# Altium PCB PA_8CH_CTRL.PcbDoc (part 9 of 10)
Units mm, origin at the board's own origin, x right, y up, seen from the top; angles counter-clockwise.
Board outline 390 x 110 mm, 4 copper layers (Component Side, Signal Layer 1, Power Plane, Solder Side), stack 1.604 mm thick; 833 components, 525 nets, 2536 pads, 1881 vias.
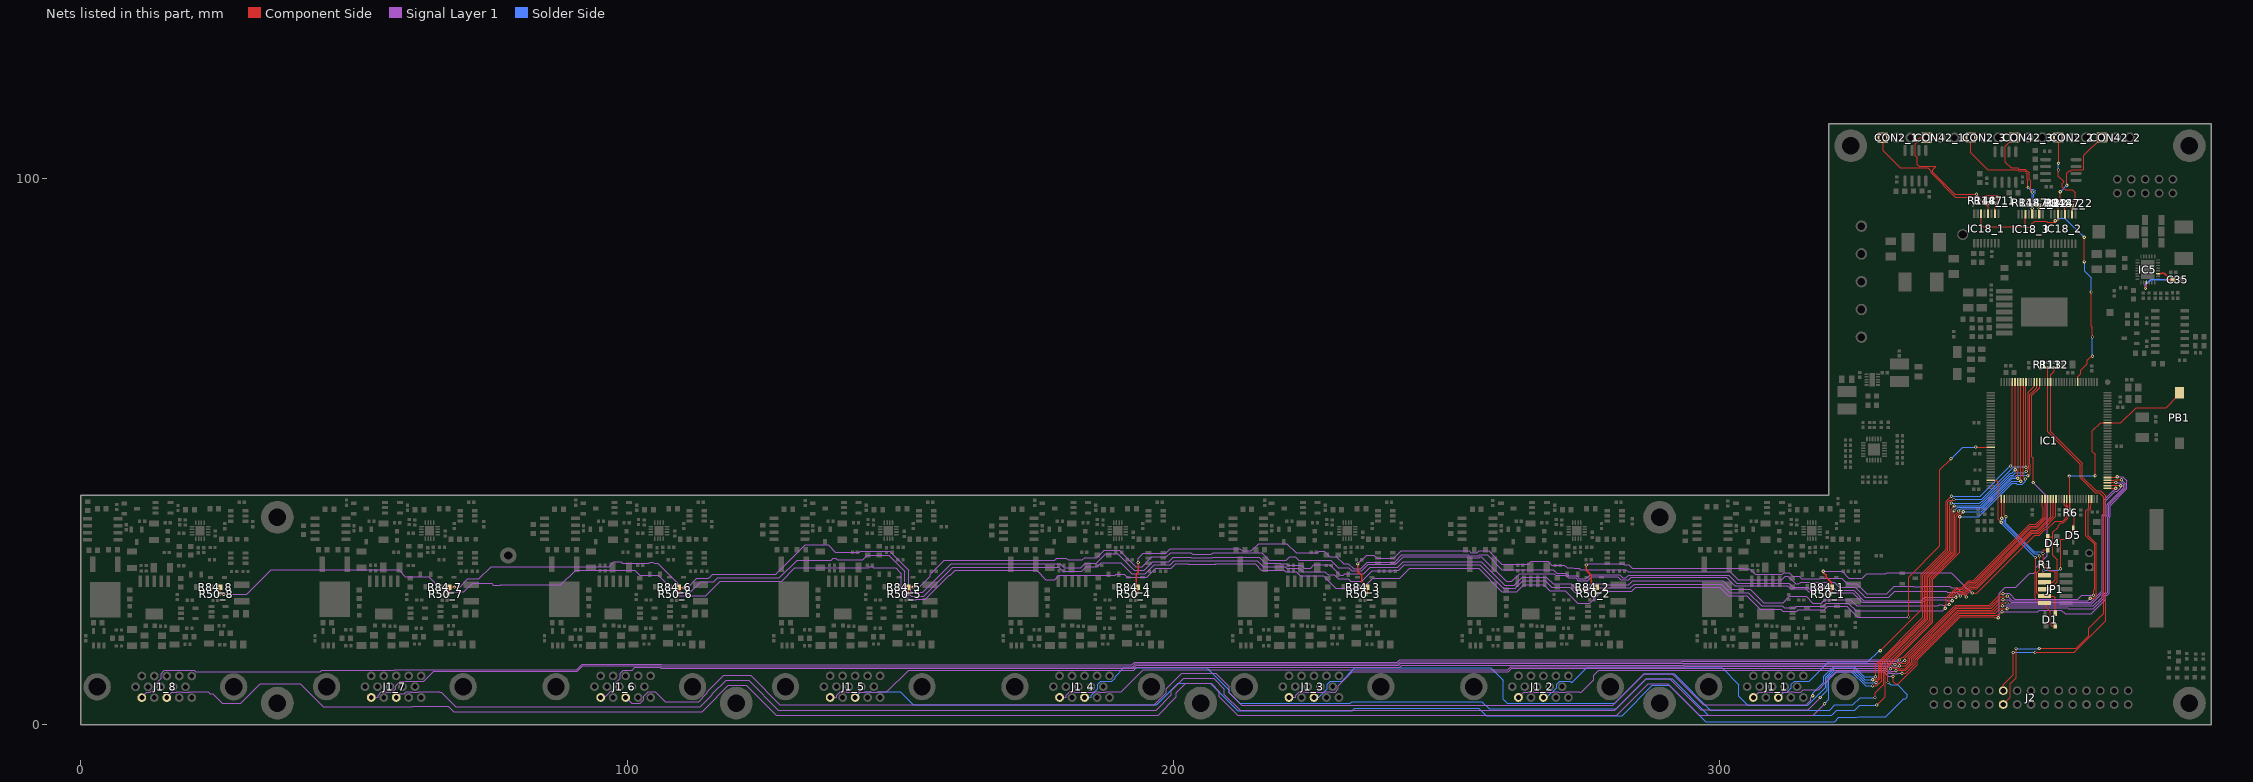
[diagram p11: the nets of this part, all layers, seen from the top]

## Via types
v1: diameter 0.6, hole 0.3, Component Side to Solder Side, tented both sides, 1530 vias
v2: diameter 0.6, hole 0.3, Component Side to Solder Side, 351 vias

## Nets (pads, with @x,y where several pads share a name; then routed paths per layer and width w, separated by ;. In a path a pad name is that pad's centre, name@x,y a point inside that pad or via, vN(x,y) a via of type N, cw(c..) or ccw(c..) an arc to the next point about the centre after c; other vN are vias at no path point) (continued)
PWR_CH_OVL0: IC1.59 J1_8.3 | length 412.3
  Component Side w0.152: v1(327.99,7.137) 328.789,7.137 329.697,8.046 329.697,8.218 329.717,8.239 329.717,10.899 338.125,19.306 338.125,27.029 342.748,31.651 342.748,39.065 342.925,39.065 v1(342.925,39.167) ; v1(356.438,45.593) 356.845,45.999 356.845,46.777 356.908,46.84 356.908,47.53 356.773,47.665 356.773,60.431 358.074,61.733 IC1.59@358.074,62.745
  Signal Layer 1 w0.152: J1_8.3@15.258,4.991 J1_8.3@15.504,5.237 ; J1_8.3@15.75,4.991 16.701,5.942 17.533,5.942 17.61,6.02 18.462,6.02 18.539,5.942 19.819,5.942 19.896,6.02 23.298,6.02 23.622,5.695 24.124,5.695 25.881,3.938 29.253,3.938 32.849,7.533 40.18,7.533 44.399,3.314 60.647,3.314 60.736,3.404 67.236,3.404 68.277,2.362 113.804,2.362 116.554,5.112 116.554,5.277 118.506,7.229 121.859,7.229 127.31,1.778 197.22,1.778 200.554,5.112 200.554,5.868 202.307,7.62 206.909,7.62 208.432,6.097 208.432,5.126 211.831,1.727 281.169,1.727 284.554,5.112 284.554,5.128 286.96,7.533 290.535,7.533 296.291,1.778 317.119,1.778 v1(319.202,3.861)
  Solder Side w0.152: v1(319.202,3.861) 320,4.659 320,8.5 321.229,9.729 324.127,9.729 326.718,7.137 v1(327.99,7.137) ; v1(342.925,39.167) 343.606,39.848 347.899,39.848 353.482,45.431 354.132,45.431 354.355,45.655 356.376,45.655 v1(356.438,45.593)
PWR_CH_OVL1: IC1.60 J1_7.3 | length 364.1
  Component Side w0.152: v1(328.625,7.722) 328.635,7.722 329.413,8.499 329.413,11.025 337.82,19.432 337.82,27.155 342.397,31.732 342.397,39.502 v1(342.976,40.081) ; v1(356.108,46.38) 356.108,46.471 356.603,46.966 356.603,47.404 356.468,47.539 356.468,60.863 357.574,61.969 IC1.60@357.574,62.745
  Signal Layer 1 w0.152: J1_7.3@57.75,5.02 58.397,5.667 59.228,5.667 59.61,6.049 60.462,6.049 60.539,5.971 61.819,5.971 61.896,6.049 65.648,6.049 65.725,5.971 65.961,5.971 68.656,3.277 113.425,3.277 115.64,5.491 115.64,5.656 118.127,8.143 122.238,8.143 127.689,2.692 196.841,2.692 199.64,5.491 199.64,6.246 201.928,8.534 207.366,8.534 209.347,6.553 209.347,5.504 212.21,2.642 280.79,2.642 283.64,5.491 283.64,5.507 286.581,8.448 290.914,8.448 296.593,2.769 316.249,2.769 318.414,4.934 v1(318.414,5.029)
  Solder Side w0.152: v1(318.414,5.029) 319.695,6.31 319.695,8.626 321.102,10.033 324.307,10.033 326.619,7.722 v1(328.625,7.722) ; v1(342.976,40.081) 343.048,40.153 347.747,40.153 353.33,45.736 353.711,45.736 354.135,46.16 355.887,46.16 v1(356.108,46.38)
PWR_CH_OVL2: IC1.63 J1_6.3 | length 321.1
  Component Side w0.152: v1(328.549,8.814) 328.549,11.024 337.21,19.685 337.21,27.407 341.787,31.984 341.787,40.757 342.173,41.143 342.794,41.143 v1(342.9,41.25) ; v1(356.074,47.185) IC1.63@356.074,62.745
  Signal Layer 1 w0.152: J1_6.3@99.75,5.02 99.83,5.02 100.859,3.991 102.462,3.991 103.065,4.594 103.065,5.217 103.896,6.049 105.176,6.049 106.954,4.271 113.127,4.271 114.725,5.87 114.725,6.034 117.748,9.057 122.617,9.057 127.988,3.687 196.542,3.687 198.725,5.87 198.725,6.625 201.549,9.449 207.797,9.449 210.261,6.985 210.261,5.883 212.563,3.581 280.437,3.581 282.725,5.87 282.725,5.886 286.202,9.362 291.293,9.362 296.968,3.687 315.874,3.687 316.655,4.468 316.655,4.921 v1(317.043,5.309)
  Solder Side w0.152: v1(317.043,5.309) 317.043,5.767 319.086,7.81 319.086,8.879 320.85,10.643 324.637,10.643 326.466,8.814 v1(328.549,8.814) ; v1(342.9,41.25) 342.824,41.326 347.98,41.326 353.871,47.217 356.042,47.217 v1(356.074,47.185)
PWR_CH_OVL3: IC1.64 J1_5.3 | length 279.8
  Component Side w0.152: v1(330.835,7.747) 330.764,7.818 330.764,10.506 339.039,18.782 339.039,26.65 343.946,31.557 343.946,38.054 v1(343.967,38.075) ; IC1.64@355.574,62.745 355.671,62.648 355.671,47.53 355.546,47.404 355.546,45.393 v1(355.93,45.009)
  Solder Side w0.152: J1_5.3@141.258,5.02 J1_5.3@141.75,5.02 142.701,5.971 143.533,5.971 143.61,6.049 144.462,6.049 144.539,5.971 145.819,5.971 145.896,6.049 150.009,6.049 152.371,3.687 196.973,3.687 200.932,7.645 206.775,7.645 211.804,2.616 232.765,2.616 233.201,3.052 255.954,3.052 257.304,1.702 282.136,1.702 287.663,7.229 290.795,7.229 297.434,0.589 321.064,0.589 321.848,1.372 325.116,1.372 325.268,1.524 330.439,1.524 333.72,4.805 334.051,4.805 334.361,5.115 334.361,5.553 332.594,7.32 331.349,7.32 331.156,7.514 331.068,7.514 v1(330.835,7.747) ; v1(343.967,38.075) 347.419,38.075 353.566,44.221 354.279,44.221 354.427,44.074 355.362,44.074 355.93,44.642 v1(355.93,45.009)
PWR_CH_OVL4: IC1.65 J1_4.3 | length 231.4
  Component Side w0.152: v1(328.752,3.632) 330.306,5.186 330.306,7.966 330.327,7.987 330.327,10.5 338.734,18.908 338.734,26.776 343.357,31.399 343.357,38.213 343.748,38.603 344.191,38.603 v1(344.602,39.014) ; IC1.65@355.074,62.745 355.103,62.716 355.103,44.907 355.074,44.879 355.074,44.671 v1(355.143,44.602)
  Solder Side w0.152: J1_4.3@183.258,5.02 J1_4.3@183.75,5.02 184.989,5.02 185.007,5.038 185.007,5.446 186.152,6.591 186.152,7.426 186.755,8.029 187.819,8.029 187.896,7.951 188.748,7.951 189.351,8.554 189.351,8.83 190.96,10.439 206.171,10.439 206.438,10.172 210.275,6.336 210.275,5.87 212.153,3.991 232.371,3.991 232.651,4.271 256.459,4.271 257.809,2.921 281.07,2.921 286.597,8.448 291.3,8.448 297.939,1.808 320.559,1.808 321.469,2.718 324.738,2.718 325.095,3.075 325.095,3.084 325.643,3.632 v1(328.752,3.632) ; v1(344.602,39.014) 347.928,39.014 353.511,44.598 355.138,44.598 v1(355.143,44.602)
PWR_CH_OVL5: IC1.66 J1_3.3 | length 188.1
  Component Side w0.152: v1(328.447,5.004) 328.447,5.842 330.002,7.396 330.002,8.092 330.022,8.113 330.022,10.744 338.43,19.152 338.43,26.902 343.052,31.525 343.052,38.43 v1(343.764,39.141) ; v1(354.574,45.126) 354.574,46.414 354.63,46.469 354.63,62.689 IC1.66@354.574,62.745
  Solder Side w0.152: J1_3.3@225.258,5.02 J1_3.3@225.75,5.02 226.581,5.02 228.152,6.591 228.152,7.426 228.755,8.029 229.819,8.029 229.896,7.951 230.748,7.951 230.791,7.995 230.805,7.995 233.25,10.439 258.115,10.439 260.35,8.204 260.35,4.724 261.082,3.991 280.847,3.991 286.218,9.362 291.679,9.362 298.318,2.723 320.181,2.723 321.12,3.662 324.38,3.662 325.722,5.004 v1(328.447,5.004) ; v1(343.764,39.141) 344.165,39.543 348.025,39.543 353.608,45.126 v1(354.574,45.126)
PWR_CH_OVL6: IC1.67 J1_2.3 | length 141.5
  Component Side w0.152: v1(328.016,8.255) 328.701,8.255 328.732,8.285 328.768,8.285 329.108,8.625 329.108,11.151 337.515,19.559 337.515,27.281 342.092,31.858 342.092,40.315 v1(342.392,40.615) ; IC1.67@354.074,62.745 354.074,46.661 v1(354.101,46.688)
  Solder Side w0.152: J1_2.3@267.258,5.02 J1_2.3@267.75,5.02 268.37,5.02 270.152,6.803 270.152,7.426 270.755,8.029 271.819,8.029 271.896,7.951 272.699,7.951 272.912,7.738 275.64,10.465 300.456,10.465 303.53,7.391 303.53,5.257 305.15,3.637 316.119,3.637 319.39,6.909 319.39,8.753 320.976,10.338 324.459,10.338 326.542,8.255 v1(328.016,8.255) ; v1(342.392,40.615) 347.624,40.615 347.98,40.97 348.107,40.97 353.177,46.041 353.454,46.041 v1(354.101,46.688)
PWR_CH_OVL7: IC1.68 J1_1.3 | length 84.9
  Component Side w0.152: v1(329.387,13.589) 336.906,21.107 336.906,27.534 341.482,32.11 341.482,40.899 v1(342.443,41.859) ; v1(353.289,47.396) 353.289,47.447 353.574,47.733 IC1.68@353.574,62.745
  Solder Side w0.152: J1_1.3@310.75,5.02 311.701,5.971 312.321,5.971 313.152,6.803 313.152,7.426 313.755,8.029 314.607,8.029 314.684,7.951 316.384,7.951 319.99,11.557 327.152,11.557 329.184,13.589 v1(329.387,13.589) ; v1(342.443,41.859) 347.701,41.859 353.238,47.396 v1(353.289,47.396)
RST: D5.2 IC1.25 IC1.134 JP1.10 PB1.1 R6.2 | length 54.8
  Component Side w0.152: v1(359.283,28.27) 359.283,27.59 JP1.10@359.492,27.381 ; v1(362.407,28.575) 362.479,28.646 362.479,33.904 362.546,33.971 363.471,33.971 364.111,34.611 ; v1(364.007,45.542) 364.074,45.475 IC1.134@364.074,41.345 ; 364.111,34.689 364.111,34.611 ; R6.2@364.312,39.332 364.876,38.768 364.876,36.75 364.75,36.624 D5.2@364.75,36.05 364.75,35.25 364.111,34.611 ; v1(368.732,45.618) 368.732,49.53 368.249,50.013 368.249,53.797 369.747,55.295 IC1.25@371.024,55.295 371.053,55.266 373.426,55.266 376.25,58.09 381.762,58.09 PB1.1@383.972,60.3
  Component Side w0.254: IC1.134@364.074,41.345 364.104,41.315 364.104,39.54 R6.2@364.312,39.332
  Solder Side w0.152: v1(359.283,28.27) 362.102,28.27 v1(362.407,28.575) ; v1(364.007,45.542) 364.084,45.618 v1(368.732,45.618)
SIG_ON_CH0: IC1.93 R50_8.1 R84_8.2 | length 380.9
  Component Side w0.152: v1(334.569,19.736) 334.58,19.747 334.58,27.062 340.335,32.817 340.335,46.659 v1@342.38,48.704 ; v1(346.913,50.866) 349.553,50.866 IC1.93@349.624,50.795
  Component Side w0.254: R84_8.2@25.463,25.197 25.463,24.104 R50_8.1@25.26,23.901 v1(26.187,23.901)
  Signal Layer 1 w0.152: v1(26.187,23.901) 30.404,23.901 34.874,28.372 58.217,28.372 59.436,27.153 63.729,27.153 66.548,24.333 70.129,24.333 71.725,25.929 75.128,25.929 75.144,25.913 75.201,25.913 75.531,25.583 76.85,25.583 76.921,25.654 87.884,25.654 90.575,28.345 101.373,28.345 102.337,27.381 105.689,27.381 109.423,23.647 114.426,23.647 117.068,26.289 128.295,26.289 130.734,28.727 144.234,28.727 144.443,28.937 144.881,28.937 145.09,28.727 149.2,28.727 150.241,27.687 150.241,24.453 151.758,22.936 152.933,22.936 152.959,22.962 154.573,22.962 158.988,27.376 159.152,27.376 160.045,28.27 175.003,28.27 176.671,26.602 178.277,26.602 179.056,27.381 189.382,27.381 189.586,27.584 191.044,27.584 191.574,27.055 195.149,27.055 196.771,28.677 199.666,28.677 200.454,29.464 202.702,29.464 202.774,29.393 207.726,29.393 207.798,29.464 214.96,29.464 216.104,28.32 218.595,28.32 218.62,28.345 219.058,28.345 219.084,28.32 220.277,28.32 220.557,28.04 222.505,28.04 223.215,27.33 227.406,27.33 229.692,25.044 234.671,25.044 236.499,26.873 241.478,26.873 243.256,28.651 255.88,28.651 260.071,24.46 260.073,24.46 260.149,24.384 262.887,24.384 264.182,25.679 267.818,25.679 268.915,24.582 271.72,24.582 274.018,22.284 276.233,22.284 278.418,24.469 283.919,24.469 284.617,25.167 300.006,25.167 301.576,23.597 304.98,23.597 307.418,21.158 311.228,21.158 311.576,20.811 314.127,20.811 314.381,21.065 319.158,21.065 319.785,21.692 323.291,21.692 325.247,19.736 v1(334.569,19.736)
  Solder Side w0.152: v1(342.367,48.717) 344.515,50.866 v1(346.913,50.866)
SIG_ON_CH1: IC1.124 R50_7.1 R84_7.2 | length 332.2
  Component Side w0.152: v1(341.325,21.336) 341.325,21.844 341.401,21.92 341.401,22.112 341.473,22.184 341.473,23.287 343.281,25.095 344.297,25.095 345.6,26.399 346.456,26.399 356.786,36.728 357.885,36.728 359.207,38.051 359.207,39.827 359.074,39.96 IC1.124@359.074,41.345
  Component Side w0.254: R50_7.1@67.26,23.93 67.463,24.133 R84_7.2@67.463,25.226 67.467,25.222 v1(68.402,25.222)
  Signal Layer 1 w0.152: v1(68.402,25.222) 69.342,25.222 70.866,26.746 72.898,26.746 75.107,28.955 96.747,28.955 97.611,29.818 98.926,29.818 99.153,29.591 104.053,29.591 104.277,29.815 104.715,29.815 104.938,29.591 105.639,29.591 109.322,25.909 109.322,24.867 109.901,24.287 111.607,24.287 113.532,26.213 115.9,26.213 116.586,26.899 127.889,26.899 131.123,30.133 136.328,30.133 136.345,30.15 137.415,30.15 137.761,30.495 138.199,30.495 138.489,30.205 143.106,30.205 143.963,31.063 147.882,31.063 150.851,28.095 150.851,24.705 151.985,23.571 154.321,23.571 159.63,28.88 179.026,28.88 179.754,28.152 183.269,28.152 184.108,28.99 186.114,28.99 186.838,29.713 190.356,29.713 192.405,27.664 194.896,27.664 196.518,29.286 199.414,29.286 200.201,30.074 202.955,30.074 203.026,30.002 207.474,30.002 207.545,30.074 215.367,30.074 216.486,28.955 219.311,28.955 219.336,28.929 220.53,28.929 220.809,28.65 223.039,28.65 223.622,28.067 227.737,28.067 228.321,27.483 229.49,27.483 230.226,26.746 232.039,26.746 232.517,26.268 234.522,26.268 236.456,28.202 240.195,28.202 240.275,28.282 241.31,28.282 242.315,29.286 256.109,29.286 260.402,24.994 262.635,24.994 264.006,26.365 268.072,26.365 269.245,25.192 272.614,25.192 273.493,24.313 274.669,24.313 274.812,24.455 275.862,24.455 276.485,25.078 283.666,25.078 284.364,25.776 300.258,25.776 301.828,24.206 305.233,24.206 307.671,21.768 311.481,21.768 311.828,21.421 313.875,21.421 314.129,21.675 318.865,21.675 318.949,21.759 318.989,21.759 319.532,22.301 323.571,22.301 324.982,20.89 340.106,20.89 340.117,20.879 340.868,20.879 v1(341.325,21.336)
SIG_ON_CH2: IC1.125 R50_6.1 R84_6.2 | length 287.5
  Component Side w0.152: v1(342.036,22.022) 342.036,23.42 343.407,24.79 344.423,24.79 345.727,26.094 346.582,26.094 356.861,36.373 357.96,36.373 359.574,37.987 IC1.125@359.574,41.345
  Component Side w0.254: R50_6.1@109.26,23.93 109.463,24.133 R84_6.2@109.463,25.226 109.569,25.121 v1(110.465,25.121)
  Signal Layer 1 w0.152: v1(110.465,25.121) 111.1,25.121 112.801,26.822 114.986,26.822 115.722,27.559 127.202,27.559 132.586,32.943 136.835,32.943 138.153,31.625 141.176,31.625 141.198,31.602 142.576,31.602 142.723,31.749 148.059,31.749 151.538,28.27 151.538,24.881 152.136,24.282 154.17,24.282 159.377,29.489 179.279,29.489 180.007,28.761 183.015,28.761 183.854,29.599 185.859,29.599 187.627,31.368 189.834,31.368 192.863,28.338 194.708,28.338 196.266,29.896 199.161,29.896 199.974,30.709 203.182,30.709 203.279,30.612 207.221,30.612 207.318,30.709 215.697,30.709 216.841,29.564 219.563,29.564 219.589,29.539 220.782,29.539 221.062,29.26 223.42,29.26 223.977,28.702 225.146,28.702 225.73,29.286 228.676,29.286 230.573,27.39 231.123,27.39 231.364,27.63 234.894,27.63 236.076,28.812 239.943,28.812 240.022,28.891 241.057,28.891 242.062,29.896 256.413,29.896 260.706,25.603 262.382,25.603 263.83,27.051 268.275,27.051 269.524,25.802 272.866,25.802 273.745,24.922 274.417,24.922 274.56,25.065 275.61,25.065 276.377,25.832 278.688,25.832 278.832,25.688 283.414,25.688 284.112,26.386 300.639,26.386 302.158,24.867 305.614,24.867 308.103,22.377 311.633,22.377 312.776,23.52 315.824,23.52 317.06,22.284 318.612,22.284 319.239,22.911 323.977,22.911 325.095,21.793 340.054,21.793 340.211,21.95 340.649,21.95 340.725,21.874 341.163,21.874 341.311,22.022 v1(342.036,22.022)
SIG_ON_CH3: IC1.126 R50_5.1 R84_5.2 | length 235.4
  Component Side w0.152: v1(342.595,22.733) 342.595,23.547 343.534,24.486 344.55,24.486 345.853,25.789 346.709,25.789 356.988,36.068 358.089,36.068 360.074,38.053 IC1.126@360.074,41.345
  Component Side w0.254: R50_5.1@151.26,23.93 151.463,24.133 R84_5.2@151.463,25.226 v1(152.371,25.226)
  Signal Layer 1 w0.152: v1(152.371,25.226) 153.532,25.226 155.494,27.188 155.494,27.564 158.062,30.133 178.328,30.133 178.691,30.495 180.438,30.495 180.728,30.205 181.346,30.205 181.35,30.209 183.371,30.209 183.794,30.632 186.03,30.632 187.375,31.977 190.086,31.977 193.108,28.956 194.31,28.956 196.088,30.734 198.679,30.734 199.492,31.547 203.206,31.547 203.531,31.221 206.969,31.221 207.294,31.547 216.205,31.547 217.578,30.174 219.878,30.174 219.897,30.155 220.68,30.155 221.305,30.78 222.32,30.78 222.977,30.123 228.844,30.123 230.216,28.752 232.106,28.752 232.618,28.24 234.462,28.24 235.643,29.422 239.69,29.422 239.77,29.501 240.803,29.501 242.062,30.759 253.953,30.759 254.09,30.622 256.043,30.622 256.18,30.759 256.413,30.759 260.909,26.264 261.976,26.264 263.419,27.707 269.661,27.707 270.012,27.356 271.856,27.356 272.313,26.899 273.634,26.899 274.117,26.416 275.895,26.416 276.631,27.153 281.356,27.153 281.94,26.568 283.413,26.568 283.845,27 301.219,27 302.743,25.476 307.939,25.476 307.964,25.5 312.37,25.5 312.984,24.887 315.803,24.887 316.357,24.333 317.348,24.333 317.906,24.892 320.065,24.892 320.751,24.206 324.333,24.206 326.136,22.403 337.109,22.403 337.637,22.931 341.554,22.931 341.752,22.733 v1(342.595,22.733)
SIG_ON_CH4: IC1.127 R50_4.1 R84_4.2 | length 193.9
  Component Side w0.152: v1(343.256,23.343) 343.256,23.622 343.814,24.181 344.676,24.181 345.979,25.484 346.835,25.484 357.012,35.662 358.114,35.662 360.574,38.122 IC1.127@360.574,41.345
  Component Side w0.254: R50_4.1@193.26,23.93 193.463,24.133 R84_4.2@193.463,25.226 193.518,25.171 193.65,25.303 193.212,25.741 193.212,27.543 193.599,27.93 v1(193.599,29.718)
  Signal Layer 1 w0.152: v1(193.599,29.718) 193.599,30.49 194.528,31.42 198.577,31.42 199.436,32.279 212.186,32.279 212.609,31.855 214.303,31.855 215.644,33.197 220.779,33.197 222.479,31.496 225.132,31.496 225.136,31.492 226.466,31.492 226.723,31.749 227.67,31.749 228.634,30.785 229.87,30.785 231.165,29.489 232.054,29.489 232.999,28.545 234.336,28.545 235.517,29.726 239.564,29.726 239.643,29.806 240.523,29.806 241.832,31.115 254.029,31.115 254.217,30.927 255.917,30.927 256.105,31.115 257.429,31.115 260.121,28.423 269.545,28.423 270.18,27.788 271.882,27.788 272.39,27.28 273.812,27.28 274.32,26.772 275.539,26.772 276.276,27.508 281.686,27.508 282.275,26.92 282.839,26.92 283.325,27.405 301.652,27.405 303.17,25.887 312.72,25.887 313.415,25.192 316.122,25.192 316.671,24.643 317.109,24.643 317.867,25.4 320.548,25.4 321.335,24.613 324.51,24.613 326.415,22.708 336.956,22.708 337.591,23.343 v1(343.256,23.343)
SIG_ON_CH5: IC1.128 R50_3.1 R84_3.2 | length 150.2
  Component Side w0.152: v1(344.043,23.597) 344.322,23.876 344.802,23.876 346.105,25.179 346.961,25.179 357.138,35.357 358.24,35.357 361.074,38.191 IC1.128@361.074,41.345
  Component Side w0.254: v1(233.782,29.464) 233.782,28.071 234.477,27.375 234.477,26.212 R84_3.2@235.463,25.226 235.463,24.133 R50_3.1@235.26,23.93
  Signal Layer 1 w0.152: v1@233.782,29.362 v1(233.782,29.464) 235.406,31.088 236.729,31.088 237.307,30.51 240.365,30.51 241.706,31.852 254.154,31.852 254.469,31.537 255.665,31.537 255.979,31.852 257.734,31.852 260.147,29.438 265.062,29.438 265.545,29.921 268.606,29.921 269.267,29.261 271.577,29.261 272.086,28.752 273.249,28.752 273.35,28.651 274.269,28.651 274.493,28.427 282.819,28.427 283.232,28.015 301.956,28.015 303.428,26.543 311.342,26.543 312.049,27.249 312.487,27.249 313.925,25.811 314.519,25.811 314.85,26.141 320.947,26.141 321.867,25.222 324.816,25.222 326.67,23.368 330.962,23.368 332.024,24.43 341.468,24.43 341.662,24.236 343.403,24.236 v1(344.043,23.597)
SIG_ON_CH6: IC1.129 R50_2.1 R84_2.2 | length 105.9
  Component Side w0.152: v1(345.135,23.419) 345.135,23.778 346.232,24.875 347.088,24.875 357.265,35.052 358.41,35.052 359.467,36.11 359.502,36.11 361.574,38.182 IC1.129@361.574,41.345
  Component Side w0.254: v1(275.565,29.261) 275.565,28.288 276.477,27.375 276.477,26.212 R84_2.2@277.463,25.226 277.463,24.133 R50_2.1@277.26,23.93
  Signal Layer 1 w0.152: v1(275.565,29.261) 275.844,29.54 282.263,29.54 282.52,29.283 283.392,29.283 284.025,28.65 304.184,28.65 304.21,28.625 305.404,28.625 306.486,27.542 311.479,27.542 311.796,27.859 312.739,27.859 313.369,27.229 314.538,27.229 315.016,26.751 318.364,26.751 318.491,26.878 322.323,26.878 323.343,25.857 325.085,25.857 326.965,23.978 330.556,23.978 331.927,25.349 335.448,25.349 335.494,25.303 337.037,25.303 337.083,25.349 342.138,25.349 342.367,25.121 343.433,25.121 v1(345.135,23.419)
SIG_ON_CH7: IC1.132 R50_1.1 R84_1.2 | length 61.1
  Component Side w0.152: v1(346.253,24.13) 347.091,24.13 357.708,34.747 358.536,34.747 359.594,35.805 359.909,35.805 361.421,37.317 362.848,37.317 363.444,37.913 363.444,39.919 363.074,40.289 IC1.132@363.074,41.345
  Component Side w0.254: v1(318.973,28.118) 318.973,27.879 319.477,27.375 319.477,27.066 320.463,26.08 R84_1.2@320.463,25.226 320.463,24.133 R50_1.1@320.26,23.93
  Signal Layer 1 w0.152: v1(318.973,28.118) 322.428,28.118 323.672,26.873 326.111,26.873 326.909,27.672 330.454,27.672 330.641,27.859 342.433,27.859 346.162,24.13 v1(346.253,24.13)
SWCLK: D1.3 IC1.109 JP1.4 | length 27.4
  Component Side w0.152: IC1.109@351.574,41.345 351.46,41.23 351.663,41.027 v1(351.663,37.846) ; v1(358.572,30.912) 358.572,28.387 358.063,27.879 358.063,24.207 358.699,23.571 JP1.4@359.492,23.571 361.179,23.571 361.45,23.3 D1.3@361.45,20.4
  Solder Side w0.152: v1(351.663,37.846) 351.663,37.821 352.065,37.419 352.065,36.809 357.555,31.318 358.165,31.318 v1(358.572,30.912)
SWDIO: D1.2 IC1.105 JP1.2 | length 33.1
  Component Side w0.152: IC1.105@349.624,44.795 350.632,44.795 350.971,44.456 350.971,37.649 v1(351.536,37.084) ; v1(357.81,30.632) 357.83,30.612 357.83,28.077 357.759,28.005 357.759,23.165 358.623,22.301 JP1.2@359.492,22.301 359.75,22.043 359.75,21.5 360.5,20.75 360.5,18.5 360.9,18.1 D1.2@361.45,18.1
  Solder Side w0.152: v1(351.536,37.084) 351.536,36.906 v1(357.81,30.632)
SWN1: IC1.54 J2.19 R112.1 | length 78.5
  Component Side w0.152: J2.19@351.92,6.27 351.92,7.344 353.748,9.171 v2@353.748,13.25 ; v2(357.75,13.25) 364.931,13.25 370.713,19.032 370.713,41.91 369.799,42.824 368.951,42.824 366.42,45.355 366.42,47.854 360.574,53.7 IC1.54@360.574,62.745 360.574,64.08 361.213,64.719 R112.1@361.213,65.443
  Solder Side w0.152: v2(353.75,13.25) v2(357.75,13.25)
SWN2: IC1.55 J2.20 R113.1 | length 80.5
  Component Side w0.152: J2.20@351.92,3.73 353.212,5.022 353.212,7.544 354.279,8.61 v2@354.279,14 ; v2(358.499,14) 365.25,14 367.538,16.288 367.538,17.678 370.327,20.468 370.327,41.712 369.519,42.52 368.757,42.52 366.014,45.263 366.014,47.701 360.074,53.641 IC1.55@360.074,62.745 360.074,65.422 R113.1@360.096,65.443
  Solder Side w0.152: v2(354.25,14) 354.279,13.971 358.471,13.971 v2(358.499,14)
TACH1_1: CON2_1.1 IC18_1.2 R147_1.1 | length 31.3
  Component Side w0.152: CON2_1.1@329.885,107.495 329.921,107.459 329.921,105.054 333.03,101.945 338.143,101.945 338.717,101.371 338.717,101.055 343.175,96.596 345.305,96.596 345.347,96.638 346.037,96.638 346.079,96.596 347.244,96.596 347.369,96.721 348.558,96.721 348.795,96.959 350.805,96.959 350.939,96.825 350.939,95.564 ; IC18_1.2@350.412,93.55 350.4,93.563 350.4,94.75 350.939,95.289 350.939,95.564 ; R147_1.1@350.638,95.263 350.939,95.564
TACH1_2: CON2_2.1 IC18_2.2 R147_2.1 | length 16.6
  Component Side w0.152: CON2_2.1@361.985,107.52 362.05,107.455 v2(362.05,102.825) ; v2(362.025,101.575) 362.025,100.45 362.965,99.51 362.965,99.344 362.742,99.12 362.742,98.43 363.23,97.942 364.533,97.942 365.1,97.375 365.1,95.622 364.93,95.451 364.876,95.451 364.525,95.1 R147_2.1@364.525,95.03 364.488,94.992 IC18_2.2@364.488,93.5
  Solder Side w0.152: v2(362.025,101.575) 362.025,102.8 v2(362.05,102.825)
TACH1_3: CON2_3.1 IC18_3.2 R147_3.1 | length 24.5
  Component Side w0.152: CON2_3.1@345.96,107.52 345.96,104.765 349.075,101.65 354.4,101.65 354.645,101.405 355.851,101.405 356.35,100.906 356.35,99.7 356.4,99.65 356.4,98.3 356.455,98.355 v2(356.467,98.355) ; IC18_3.2@358.513,93.45 v2(358.513,94.525) 358.513,95.043 R147_3.1@358.6,95.13
  Solder Side w0.152: v2(356.467,98.355) 356.744,98.079 357.444,98.079 357.754,97.769 357.754,97.331 357.547,97.125 357.547,95.547 357.5,95.5 357.538,95.5 v2(358.513,94.525)
TACH2_1: CON42_1.1 IC18_1.4 R148_1.1 | length 26
  Component Side w0.152: CON42_1.1@337.885,107.495 336.62,107.495 336.144,107.019 336.144,106.688 335.825,106.369 335.825,104.144 336.175,103.794 336.175,102.575 336.5,102.25 339.55,102.25 339.55,102.148 339.021,101.619 339.021,101.181 343.077,97.125 v2(347.025,97.125) ; v2(347.65,96.1) 348.346,95.404 348.544,95.404 348.793,95.155 349.2,95.155 349.2,93.608 IC18_1.4@349.142,93.55
  Solder Side w0.152: v2(347.025,97.125) 347.65,96.5 v2(347.65,96.1)
TACH2_2: CON42_2.1 IC18_2.4 R148_2.1 | length 19
  Component Side w0.152: v2(362.368,97.605) 362.368,95.832 363.17,95.03 R148_2.1@363.2,95.03 363.218,95.012 IC18_2.4@363.218,93.5 ; v2(363.575,98.775) 363.575,101 364,101.425 364.287,101.425 364.462,101.6 366.575,101.6 366.7,101.725 366.7,104.275 369.945,107.52 CON42_2.1@369.985,107.52
  Solder Side w0.152: v2(362.368,97.605) 362.405,97.605 v2(363.575,98.775)
TACH2_3: CON42_3.1 IC18_3.4 R148_3.1 | length 18.2
  Component Side w0.152: CON42_3.1@353.96,107.52 352.325,105.885 352.325,102.975 353.345,101.955 354.545,101.955 354.79,101.71 355.977,101.71 356.655,101.032 356.655,99.845 356.996,99.504 356.996,97.779 v2(357.225,97.55) ; IC18_3.4@357.243,93.45 v2(357.243,94.525)
  Solder Side w0.152: v2(357.225,97.55) 357.243,97.532 357.243,95.674 357.195,95.626 357.195,94.572 v2(357.243,94.525)
TDI: D4.3 IC1.110 JP1.8 R1.2 | length 23.6
  Component Side w0.152: IC1.110@352.074,41.345 352.074,38.425 v1(352.425,38.075) ; JP1.8@359.492,26.111 361.01,26.111 361.467,26.568 361.467,27.965 361.201,28.232 360.235,28.232 359.194,29.274 R1.2@359.194,29.312 359.207,29.324 v1(359.207,31.369) 359.25,31.412 359.25,32 359.35,32.1 D4.3@360.05,32.1
  Solder Side w0.152: v1(352.425,38.075) 352.425,36.879 357.631,31.674 358.851,31.674 359.156,31.369 v1(359.207,31.369)
TDO: D4.2 IC1.133 JP1.6 | length 19.6
  Component Side w0.152: D4.2@360.05,34.4 360.921,34.4 361.021,34.5 ; JP1.6@360.578,25.019 361.772,26.213 361.772,30.272 361.021,31.023 361.021,34.5 ; IC1.133@363.574,41.345 363.574,40.22 363.749,40.045 363.749,37.787 362.95,36.989 362.49,36.989 361.971,36.469 361.971,36.219 361.021,35.27 361.021,34.5
THERMN: IC1.44 IC18_1.6 IC18_2.6 IC18_3.6 R22.2 | length 57.1
  Component Side w0.152: IC18_1.6@347.872,93.55 347.872,91.502 348.221,91.154 v2(355.967,91.154) ; IC18_3.6@355.973,93.45 355.973,91.16 v2(355.967,91.154) ; v2@361.465,92.05 359.998,92.05 359.844,92.204 357.656,92.204 357.079,91.626 357.079,91.431 356.769,91.121 356,91.121 v2(355.967,91.154) ; v2@361.727,92.152 361.948,92.373 IC18_2.6@361.948,93.5 361.948,94.883 R22.2@361.8,95.03 ; IC1.44@365.574,62.745 365.574,63.742 366.083,64.25 366.083,64.904 367.279,66.1 367.279,66.234 367.333,66.288 367.333,66.833 367.402,66.833 368.069,67.5 v2(368.249,67.5) ; v2(366.749,84.75) v2(366.75,89.25) ; v2(368,79.25) 368,78.75 368.028,78.722 368.028,78.031 368,78.003 368,73 368.25,72.75 v2(368.25,71)
  Solder Side w0.152: v2(361.465,92.273) 361.729,92.273 361.752,92.25 362.28,92.778 363.222,92.778 v2(366.75,89.25) ; v2(366.749,84.75) 366.833,84.666 366.833,83.029 368,81.862 v2(368,79.25) ; v2(368.249,67.5) v2(368.25,71)
USER_IO0: IC1.141 J1_8.1 | length 385.8
  Component Side w0.152: v1(332.892,11.887) 333.426,12.421 333.66,12.421 342.859,21.62 342.89,21.62 343.195,21.925 349.331,21.925 351.434,24.028 v1(351.866,24.028) ; IC1.141@367.574,41.345 367.574,39.681 367.055,39.162 367.055,34.61 368.644,33.022 368.644,28.061 368.63,28.047 368.63,24.79 368.452,24.613 v1(368.452,23.724)
  Signal Layer 1 w0.152: J1_8.1@11.178,4.991 12.129,5.942 12.749,5.942 13.352,6.545 13.352,7.168 14.721,8.538 14.721,9.377 15.324,9.98 20.748,9.98 21.028,9.7 43.844,9.7 44.153,10.009 57.38,10.009 57.48,10.109 89.129,10.109 89.154,10.084 90.755,10.084 91.809,11.138 106.221,11.138 106.387,10.973 192.433,10.973 192.945,11.486 241.036,11.486 241.463,11.913 291.313,11.913 291.333,11.892 292.852,11.892 292.873,11.913 332.867,11.913 v1(332.892,11.887) ; v1(351.866,24.028) 351.963,24.125 352.984,24.125 354.066,23.043 365.587,23.043 366.268,23.724 v1(368.452,23.724)
USER_IO1: IC1.142 J1_7.1 | length 344.8
  Component Side w0.152: v1(333.883,11.786) 333.883,12.182 343.321,21.62 349.56,21.62 351.439,23.5 352.582,23.5 v1(352.679,23.597) ; v1(367.868,23.19) 368.667,23.19 368.981,23.505 368.981,23.943 368.935,23.989 368.935,25.629 368.948,25.642 368.948,33.148 367.487,34.609 367.487,36.866 367.452,36.901 367.452,37.339 367.487,37.374 367.487,39.163 367.901,39.577 367.901,40.114 368.074,40.287 IC1.142@368.074,41.345
  Signal Layer 1 w0.152: J1_7.1@52.686,5.02 J1_7.1@53.178,5.02 54.417,5.02 54.435,5.038 54.435,5.446 55.038,6.049 55.89,6.049 55.967,5.971 57.035,5.971 57.638,6.574 57.638,7.197 58.469,8.029 59.321,8.029 59.398,7.951 60.462,7.951 60.539,8.029 61.607,8.029 61.684,7.951 62.748,7.951 64.576,9.779 90.881,9.779 91.936,10.833 106.095,10.833 106.261,10.668 192.559,10.668 193.072,11.181 241.163,11.181 241.539,11.557 293.152,11.557 293.202,11.608 332.399,11.608 332.648,11.359 333.278,11.359 333.705,11.786 v1(333.883,11.786) ; v1(352.679,23.597) 353.538,22.738 367.416,22.738 v1(367.868,23.19)
USER_IO2: IC1.1 J1_6.1 | length 306.9
  Component Side w0.152: v1(332.105,10.998) 332.246,10.998 332.597,11.349 333.238,11.349 333.33,11.257 334.102,11.257 334.493,11.648 334.493,12.36 343.448,21.315 349.687,21.315 351.257,22.885 v1(351.866,22.885) ; IC1.1@371.024,43.295 v1(372.529,43.295)
  Signal Layer 1 w0.152: J1_6.1@94.686,5.02 J1_6.1@95.178,5.02 95.927,5.02 97.58,6.674 97.58,7.426 98.721,8.567 98.721,9.406 99.324,10.009 100.915,10.009 101.435,10.529 105.969,10.529 106.16,10.338 192.66,10.338 193.198,10.876 241.289,10.876 241.665,11.253 293.278,11.253 293.329,11.303 331.8,11.303 v1(332.105,10.998) ; v1(351.866,22.885) 352.959,22.885 353.412,22.433 367.909,22.433 370,24.524 370,38.341 370.327,38.668 370.327,41.093 v1(372.529,43.295)
USER_IO3: IC1.2 J1_5.1 | length 266.5
  Component Side w0.152: v1(332.918,10.82) 334.096,10.82 334.797,11.521 334.797,12.234 343.574,21.011 349.941,21.011 351.277,22.347 352.557,22.347 v1(352.603,22.301) ; IC1.2@371.024,43.795 371.053,43.823 373.397,43.823 v1(373.426,43.795)
  Signal Layer 1 w0.152: J1_5.1@136.686,5.02 J1_5.1@137.178,5.02 138.417,5.02 138.435,5.038 138.435,5.446 139.038,6.049 140.106,6.049 140.183,5.971 141.247,5.971 141.324,6.049 142.392,6.049 142.469,5.971 143.533,5.971 143.61,6.049 144.678,6.049 144.755,5.971 145.819,5.971 145.896,6.049 147.588,6.049 151.573,10.033 192.786,10.033 193.324,10.571 241.415,10.571 241.792,10.948 293.404,10.948 293.455,10.998 331.357,10.998 331.886,10.47 332.324,10.47 332.675,10.82 v1(332.918,10.82) ; v1(352.603,22.301) 352.776,22.128 368.152,22.128 369.722,23.698 369.722,23.815 370.305,24.397 370.305,38.215 370.632,38.542 370.632,40.967 372.431,42.766 372.748,42.766 373.426,43.444 v1(373.426,43.795)
USER_IO4: IC1.3 J1_4.1 | length 225.7
  Component Side w0.152: v1(331.292,10.287) 331.44,10.435 332.531,10.435 332.673,10.292 333.999,10.292 335.153,11.446 335.153,12.159 343.7,20.706 350.169,20.706 351.282,21.819 v1(351.79,21.819) ; IC1.3@371.024,44.295 371.104,44.374 v1(372.516,44.374)
  Signal Layer 1 w0.152: J1_4.1@178.686,5.02 J1_4.1@179.178,5.02 180.417,5.02 180.435,5.038 180.435,5.446 181.038,6.049 181.89,6.049 181.967,5.971 183.035,5.971 183.112,6.049 184.176,6.049 184.253,5.971 185.321,5.971 185.398,6.049 186.462,6.049 186.539,5.971 187.607,5.971 187.684,6.049 190.503,6.049 194.513,10.058 261.214,10.058 261.799,10.643 293.531,10.643 293.581,10.693 330.835,10.693 331.241,10.287 v1(331.292,10.287) ; v1(351.79,21.819) 351.836,21.773 368.406,21.773 370.027,23.393 370.027,23.689 370.662,24.324 370.662,38.141 370.937,38.416 370.937,40.432 373.954,43.45 373.954,44.014 373.615,44.353 372.537,44.353 v1(372.516,44.374)
USER_IO5: IC1.4 J1_3.1 | length 185.3
  Component Side w0.152: v1(332.283,9.906) 332.354,9.977 334.116,9.977 335.208,11.07 335.251,11.07 335.483,11.302 335.483,12.058 343.826,20.401 350.474,20.401 351.307,21.234 352.349,21.234 352.4,21.285 352.45,21.234 v1(352.628,21.234) ; IC1.4@371.024,44.795 372.19,44.795 372.297,44.902 372.735,44.902 372.756,44.882 v1(373.558,44.882)
  Signal Layer 1 w0.152: J1_3.1@220.686,5.02 J1_3.1@221.178,5.02 222.417,5.02 222.435,5.038 222.435,5.446 223.038,6.049 224.106,6.049 224.183,5.971 225.247,5.971 225.324,6.049 226.392,6.049 226.469,5.971 227.533,5.971 227.61,6.049 228.678,6.049 228.755,5.971 229.607,5.971 230.21,6.574 230.21,7.147 232.791,9.729 261.316,9.729 261.925,10.338 293.878,10.338 293.929,10.389 330.443,10.389 331.073,9.758 331.511,9.758 331.532,9.779 332.156,9.779 v1(332.283,9.906) ; v1(352.628,21.234) 352.801,21.407 363.693,21.407 363.866,21.234 368.427,21.234 370.332,23.139 370.332,23.562 371.018,24.248 371.018,38.066 371.242,38.29 371.242,40.28 374.269,43.307 374.269,44.171 v1(373.558,44.882)
USER_IO6: IC1.5 J1_2.1 | length 145
  Component Side w0.152: v1(333.4,9.449) 334.061,9.449 335.788,11.176 335.788,11.932 343.953,20.096 350.742,20.096 350.784,20.137 351.125,20.137 v1(351.688,20.701) ; IC1.5@371.024,45.295 372.65,45.295 v1(372.796,45.441)
  Signal Layer 1 w0.152: J1_2.1@262.686,5.02 J1_2.1@263.178,5.02 264.129,5.971 264.961,5.971 265.038,6.049 265.89,6.049 265.967,5.971 267.247,5.971 267.324,6.049 268.176,6.049 268.253,5.971 269.533,5.971 269.61,6.049 270.462,6.049 270.539,5.971 271.819,5.971 271.896,6.049 274.298,6.049 274.375,5.971 274.678,5.971 276.945,8.238 276.945,9.126 277.852,10.033 330.367,10.033 330.947,9.454 331.988,9.454 332.064,9.377 332.502,9.377 332.573,9.449 v1(333.4,9.449) ; v1(351.688,20.701) 358.203,20.701 358.531,21.029 362.577,21.029 363.255,20.35 368.076,20.35 370.637,22.911 370.637,23.436 371.323,24.122 371.323,37.94 371.546,38.163 371.546,40.153 374.574,43.181 374.574,44.679 373.812,45.441 v1(372.796,45.441)
USER_IO7: IC1.58 J1_1.1 | length 104.3
  Component Side w0.152: v1(331.749,8.915) 331.8,8.865 331.8,7.925 331.815,7.925 332.216,7.523 332.694,7.523 336.194,11.024 336.194,11.907 344.079,19.791 350.195,19.791 350.377,19.609 v1(351.003,19.609) ; v1(357.429,44.348) 357.429,48.793 357.175,49.047 357.175,60.3 358.574,61.699 IC1.58@358.574,62.745
  Signal Layer 1 w0.152: J1_1.1@306.178,5.02 307.129,5.971 307.961,5.971 308.038,6.049 309.106,6.049 309.183,5.971 310.247,5.971 310.324,6.049 311.392,6.049 311.469,5.971 312.533,5.971 312.61,6.049 313.678,6.049 313.755,5.971 314.819,5.971 315.32,6.472 318.13,6.472 319.43,7.772 319.522,7.772 321.479,9.729 330.073,9.729 330.886,8.915 v1(331.749,8.915) ; v1(351.003,19.609) 351.16,19.766 351.16,24.07 352.312,25.222 354.254,25.222 356.799,27.767 357.521,27.767 357.83,28.077 357.83,28.799 360.02,30.988 360.02,35.232 359.971,35.281 359.971,35.719 360.02,35.768 360.02,41.758 v1(357.429,44.348)
VIN_REG_N7: C35.2 IC5.11 IC5.17 | length 9.8
  Component Side w0.254: v1(377.948,79.898) 377.948,80.076 378.13,80.258 IC5.11@378.13,80.953 ; IC5.17@380.28,82.603 380.79,82.603 380.869,82.682 381.358,82.682 381.936,82.104 v1(381.936,81.499) 381.962,81.524 C35.2@383.041,81.524
  Solder Side w0.254: v1(377.948,79.898) 377.948,80.533 378.914,81.499 v1(381.936,81.499)
pads on no net: IC1.6 IC1.7 IC1.8 IC1.9 IC1.10 IC1.11 IC1.12 IC1.46 IC1.47 IC1.49 IC1.50 IC1.53 IC1.69 IC1.70 IC1.75 IC1.87 IC1.88 IC1.92 IC1.96 IC1.97 IC1.100 IC1.112 IC1.113 IC1.135 IC1.FTG1 IC1.FTG2 IC4.4 IC4.7 IC9_1.7 IC9_2.7 IC9_3.7 IC9_4.7 IC9_5.7 IC9_6.7 IC9_7.7 IC9_8.7 IC12.4 IC12.7 IC18_1.7 IC18_2.7 IC18_3.7 J3.1 JP1.7 JP1.9 U1_1.7 U1_2.7 U1_3.7 U1_4.7 U1_5.7 U1_6.7 U1_7.7 U1_8.7
copper on no net: | length 2642.9
  Component Side w0.025: 274.35,60.44 276.882,62.972 279.93,66.02 282.978,69.068 286.026,72.116 289.074,75.164 292.122,78.212 295.17,81.26 298.218,84.308 301.266,87.356 302.79,88.88 ; 274.35,61.964 275.358,62.972 278.406,66.02 281.454,69.068 284.502,72.116 287.55,75.164 290.598,78.212 293.646,81.26 296.694,84.308 299.742,87.356 302.79,90.404 ; 274.35,63.488 276.882,66.02 279.93,69.068 282.978,72.116 286.026,75.164 289.074,78.212 292.122,81.26 295.17,84.308 298.218,87.356 301.266,90.404 302.79,91.928 ; 274.35,65.012 275.358,66.02 278.406,69.068 281.454,72.116 284.502,75.164 287.55,78.212 290.598,81.26 293.646,84.308 296.694,87.356 299.742,90.404 302.79,93.452 ; 274.35,66.536 276.882,69.068 279.93,72.116 282.978,75.164 286.026,78.212 289.074,81.26 292.122,84.308 295.17,87.356 298.218,90.404 301.266,93.452 ; 274.35,68.06 275.358,69.068 278.406,72.116 281.454,75.164 284.502,78.212 287.55,81.26 290.598,84.308 293.646,87.356 296.694,90.404 299.742,93.452 ; 274.35,69.584 276.882,72.116 279.93,75.164 282.978,78.212 286.026,81.26 289.074,84.308 292.122,87.356 295.17,90.404 298.218,93.452 ; 274.35,71.108 275.358,72.116 278.406,75.164 281.454,78.212 284.502,81.26 287.55,84.308 290.598,87.356 293.646,90.404 296.694,93.452 ; 274.35,72.632 276.882,75.164 279.93,78.212 282.978,81.26 286.026,84.308 289.074,87.356 292.122,90.404 295.17,93.452 ; 274.35,74.156 275.358,75.164 278.406,78.212 281.454,81.26 284.502,84.308 287.55,87.356 290.598,90.404 293.646,93.452 ; 274.35,75.68 276.882,78.212 279.93,81.26 282.978,84.308 286.026,87.356 289.074,90.404 292.122,93.452 ; 274.35,77.204 275.358,78.212 278.406,81.26 281.454,84.308 284.502,87.356 287.55,90.404 290.598,93.452 ; 274.35,78.728 276.882,81.26 279.93,84.308 282.978,87.356 286.026,90.404 289.074,93.452 ; 274.35,80.252 275.358,81.26 278.406,84.308 281.454,87.356 284.502,90.404 287.55,93.452 ; 274.35,81.776 276.882,84.308 279.93,87.356 282.978,90.404 286.026,93.452 ; 274.35,83.3 275.358,84.308 278.406,87.356 281.454,90.404 284.502,93.452 ; 274.35,84.824 276.882,87.356 279.93,90.404 282.978,93.452 ; 274.35,86.348 275.358,87.356 278.406,90.404 281.454,93.452 ; 274.35,87.872 276.882,90.404 279.93,93.452 ; 274.35,89.396 275.358,90.404 278.406,93.452 ; 274.35,90.92 276.882,93.452 ; 274.35,92.444 275.358,93.452 ; 275.358,59.924 278.406,62.972 281.454,66.02 284.502,69.068 287.55,72.116 290.598,75.164 293.646,78.212 296.694,81.26 299.742,84.308 302.79,87.356 ; 276.882,59.924 279.93,62.972 282.978,66.02 286.026,69.068 289.074,72.116 292.122,75.164 295.17,78.212 298.218,81.26 301.266,84.308 302.79,85.832 ; 278.406,59.924 281.454,62.972 284.502,66.02 287.55,69.068 290.598,72.116 293.646,75.164 296.694,78.212 299.742,81.26 302.79,84.308 ; 279.93,59.924 282.978,62.972 286.026,66.02 289.074,69.068 292.122,72.116 295.17,75.164 298.218,78.212 301.266,81.26 302.79,82.784 ; 281.454,59.924 284.502,62.972 287.55,66.02 290.598,69.068 293.646,72.116 296.694,75.164 299.742,78.212 302.79,81.26 ; 282.978,59.924 286.026,62.972 289.074,66.02 292.122,69.068 295.17,72.116 298.218,75.164 301.266,78.212 302.79,79.736 ; 284.502,59.924 287.55,62.972 290.598,66.02 293.646,69.068 296.694,72.116 299.742,75.164 302.79,78.212 ; 286.026,59.924 289.074,62.972 292.122,66.02 295.17,69.068 298.218,72.116 301.266,75.164 302.79,76.688 ; 287.55,59.924 290.598,62.972 293.646,66.02 296.694,69.068 299.742,72.116 302.79,75.164 ; 289.074,59.924 292.122,62.972 295.17,66.02 298.218,69.068 301.266,72.116 302.79,73.64 ; 290.598,59.924 293.646,62.972 296.694,66.02 299.742,69.068 302.79,72.116 ; 292.122,59.924 295.17,62.972 298.218,66.02 301.266,69.068 302.79,70.592 ; 293.646,59.924 296.694,62.972 299.742,66.02 302.79,69.068 ; 295.17,59.924 298.218,62.972 301.266,66.02 302.79,67.544 ; 296.694,59.924 299.742,62.972 302.79,66.02 ; 298.218,59.924 301.266,62.972 302.79,64.496 ; 299.742,59.924 302.79,62.972 ; 301.266,59.924 302.79,61.448
  Component Side w0.381: 187.25,62.972 197.662,62.972 221.531,62.972 243.369,62.972 259.875,62.972 274.35,62.972 302.79,62.972 ; 187.25,66.02 197.662,66.02 221.531,66.02 243.369,66.02 259.875,66.02 274.35,66.02 302.79,66.02 ; 187.25,69.068 197.662,69.068 221.531,69.068 243.369,69.068 259.875,69.068 274.35,69.068 302.79,69.068 ; 187.25,72.116 197.662,72.116 221.531,72.116 243.369,72.116 259.875,72.116 274.35,72.116 302.79,72.116 ; 187.25,75.164 197.662,75.164 221.531,75.164 243.369,75.164 259.875,75.164 274.35,75.164 302.79,75.164 ; 187.25,78.212 197.662,78.212 221.531,78.212 243.369,78.212 259.875,78.212 274.35,78.212 302.79,78.212 ; 187.25,81.26 197.662,81.26 221.531,81.26 243.369,81.26 259.875,81.26 274.35,81.26 302.79,81.26 ; 187.25,84.308 197.662,84.308 221.531,84.308 243.369,84.308 259.875,84.308 274.35,84.308 302.79,84.308 ; 187.25,87.356 197.662,87.356 221.531,87.356 243.369,87.356 259.875,87.356 274.35,87.356 302.79,87.356 ; 187.25,90.404 197.662,90.404 221.531,90.404 243.369,90.404 259.875,90.404 274.35,90.404 302.79,90.404 ; 187.25,93.452 302.79,93.452 ; 197.662,96.5 197.662,59.924 ; 221.531,96.5 221.531,59.924 ; 243.369,96.5 243.369,59.924 ; 259.875,96.5 259.875,59.924 ; 274.35,96.5 274.35,59.924 ; 197.662,59.924 221.531,59.924 ; 197.662,59.924 187.25,59.924 187.25,96.5 302.79,96.5 302.79,59.924 274.35,59.924 ; 221.531,59.924 243.369,59.924 ; 243.369,59.924 259.875,59.924 ; 259.875,59.924 274.35,59.924

## Polygon pours and split planes (outlines as drawn)
GND on Solder Side "ML1_BAL" (solid, remove dead copper, pour order 48): 0.25,24.75 0.5,25 11.75,25 11.75,19.75 12,19.5 12.25,19.75 334,19.75 334.5,19.75 342.5,27.75 342.5,29.5 342.5,63 343,63.5 344.25,64.75 344.25,66 344.25,71.75 342.5,71.75 342.5,80.5 343,81 345.25,83.25 345.25,85.5 345.25,92.5 345.5,92.25 365.5,92.25 365.75,92.25 368,90 372.25,85.75 372.25,79.75 372.25,77.75 374.25,75.75 378,75.75 386.25,75.75 387.5,77 387.5,78.5 387.5,94 387.25,94.25 387.181,94.181 378.5,94.181 375.569,94.181 374.5,95.25 374,95.75 372.75,95.75 359.5,95.75 359,95.25 358.75,95 355.25,95 345.75,95 345,95.75 343,95.75 336.25,95.75 335.75,95.25 335.75,92.5 326.25,92.5 324.75,91 322,88.25 321.75,88.25 321,87.5 320.5,87 320.025,87 320.25,87.225 320.25,110 389.75,110 390,109.75 389.75,109.5 389.75,0 0.25,0 0,0.25 0.5,0.75 0.5,25
N8V0 on Solder Side "Top-No Net" (solid, remove dead copper, pour order 30): 336.25,95 343.75,95 344.25,95 345,94.25 349,94.25 359.25,94.25 359.75,94.75 360.25,95.25 363.5,95.25 373.5,95.25 374.75,94 374.75,91.75 373,90 370,90 368.5,90 367,91.5 365.75,92.75 359.25,92.75 336.25,92.75
P6V5 on Solder Side "Solder Side-No Net" (solid, remove dead copper, pour order 0): 12,25 330,25 330,20 12,20
P6V5 on Solder Side "Solder Side-No Net" (solid, remove dead copper, pour order 8): 329,25 330,25 335,30 335,65 341.25,71.25 344,71.25 344,65 342,63 342,28 334,20 329,20
P30V0 on Solder Side "Solder Side-No Net" (solid, remove dead copper, pour order 2): 0,42.25 333.75,42.25 333.75,25.25 0,25.25
P30V0 on Solder Side "Solder Side-No Net" (solid, remove dead copper, pour order 6): 320.75,32.967 320.75,86.5 326.25,92 344.75,92 344.75,83.333 342,80.583 342,73 335,66 335,30.25 332.179,27.429
N8V0 on Solder Side "Top-No Net" (solid, remove dead copper, pour order 28): 372.5,93.5 387,93.5 387,77 386.5,76.5 379.5,76.5 379,76.5 378.5,76 376,76 374.5,76 373.5,77 372.5,78 372.5,88.5 372.5,93.5
N8V0 on Signal Layer 1 "Solder Side-No Net" (solid, remove dead copper, pour order 4): 328.646,17.352 17.334,17.352 17.334,12 328.646,12
N8V0 on Signal Layer 1 "Signal Layer 1-No Net" (solid, pour order 14): 327,17.25 328.5,17.5 334,17.5 340.75,17.5 346.431,23.181 346.431,27.319 335,38.75 335,95 340.75,95 340.75,40.25 351,30 351,21 343,13 337,13 336,12 327,12
N8V0 on Signal Layer 1 "ML1_BAL" (solid, remove dead copper, pour order 34): 371,94 385.25,94 386,93.25 386.75,92.5 386.75,87 386.75,76.5 385.25,75 384.75,74.5 379.5,74.5 377,74.5 368,83.5 368,87.75 368,91.75 370.25,94
P3V3 on Signal Layer 1 "ML1_BAL" (solid, remove dead copper, pour order 44): 319.75,42 319.75,40.5 322.25,38 322.75,37.5 333.75,37.5 334.5,38.25 334.5,40 334.5,95.75 341,95.75 341,41 344,38 351.5,30.5 351.5,24.41 351.5,20.25 348.25,17 337.25,6 337.25,0.25 339.5,0.25 339.75,0 390,0 390,74.25 389.75,74 350.75,74 376.75,74 367.25,83.5 367.25,92.25 369.25,94.25 370,95 373,95 385,95 386.25,93.75 387.25,92.75 387.25,91.75 387.25,74 390,74 390,109.75 389.75,110 320,110 320,42.75 319.75,42.5
P3V3 on Signal Layer 1 "ML1_BAL" (solid, remove dead copper, pour order 46): -0.25,42.25 0,42.5 319.5,42.5 319.5,41.5 324.754,36.246 327.75,36.246 336.504,36.246 340.5,32.25 345.25,27.5 345.25,24.25 345.25,23 343.25,21 340.75,18.5 311.5,18.5 18,18.5 16,16.5 16.5,16 16.5,13.5 16.5,12.25 17.5,11.25 17.75,11 27.25,11 334.66,11 337.5,8.16 337.25,7.91 337.25,0.258 335.758,0.258 335.5,0 0,0
GND on Component Side "Top-No Net" (solid, remove dead copper, pour order 20): 337.5,84 345,84 346,83 347,83 347,81.5 345,81.5 344,81.5 343.5,81 342,79.5 341,78.5 340,78.5 337,78.5 336.5,79 336.5,83 336.5,83.5 337,84
P30V0 on Component Side "Top-No Net" (solid, remove dead copper, pour order 22): 340,92 343,92 343.5,91.5 345,90 345,85 344.5,84.5 344,84 342,84 339,84 338,85 337.5,85.5 337.5,88.5 337.5,91 338,91.5 338.5,92 340,92
P12V0 on Component Side "Top-No Net" (solid, remove dead copper, pour order 24): 354,83 354,79 349,79 347.5,77.5 344.5,77.5 344.5,76 342,73.5 341.5,73 332,73 331,73 329,75 326,78 323,78 322.5,78 322,78.5 322,80 322,82.5 323,83.5 325.5,83.5 328,83.5 329.5,82 333.5,78 338,78 341,78 343.5,80.5 344.5,81.5 346,81.5 347.5,83 354.315,83
P12V0 on Component Side "Top-No Net" (solid, remove dead copper, pour order 26): 353,82 366,82 367,83 367,84 367.5,84.5 377,84.5 377,83 376,83 372.5,79.5 353.5,79.5
P3V3 on Component Side "ML1_BAL" (solid, remove dead copper, pour order 32): 322.5,68 325.25,70.75 335.75,70.75 338.75,67.75 339.25,67.25 339.25,65.75 339.25,63.75 338,62.5 335.5,60 334.5,60 331,60 330.5,60.5 329,62 329,63.5 329,64.25 328.25,65 324.75,65 322.5,65 322.25,65.25 322.25,67.75
GND on Component Side "ML1_BAL" (solid, remove dead copper, pour order 36): 379.75,93.75 379.75,87.25 387.75,87.25 387.75,93.5 387.5,93.75 380,93.75
NetC23_2 on Component Side "ML1_BAL" (solid, remove dead copper, pour order 38): 378.537,87.259 387.75,87.259 387.75,82.75 385.5,82.75 385.25,82.5 383.75,82.5 382.205,82.5 381.75,82.955 381.455,83.25 379.75,83.25 379.75,85 379.5,85.25 378.25,85.25
N8V0 on Component Side "ML1_BAL" (solid, remove dead copper, pour order 40): 372.5,94.176 379.074,94.176 379.25,94 379.25,92.75 379.25,87.25 379,87 376.305,84.305 374.777,84.305 373.445,84.305 373,84.75 372.75,85 372.75,85.75 372.75,92.75 372.5,93 372.5,94.176
GND on Component Side "ML1_BAL" (solid, remove dead copper, pour order 42): 372.5,93.282 372.5,84.5 367.5,84.5 367.5,92.391 368.359,93.25 368.391,93.282 372.5,93.282
GND on Power Plane (split plane): 389.49,0.51 0.51,0.51 0.51,41.49 320,41.49 320.1,41.499 320.195,41.528 320.284,41.576 320.361,41.639 320.424,41.716 320.472,41.805 320.501,41.9 320.51,42 320.51,109.49 389.49,109.49

## Keep-outs
Keep-Out Layer:
  lines w0.1: 320,42 0,42 0,0 390,0 390,110 320,110 ; 320.025,42.076 320.025,110.076